# Altium PCB MCU014B_D1.PcbDoc (part 2 of 5) (continued)
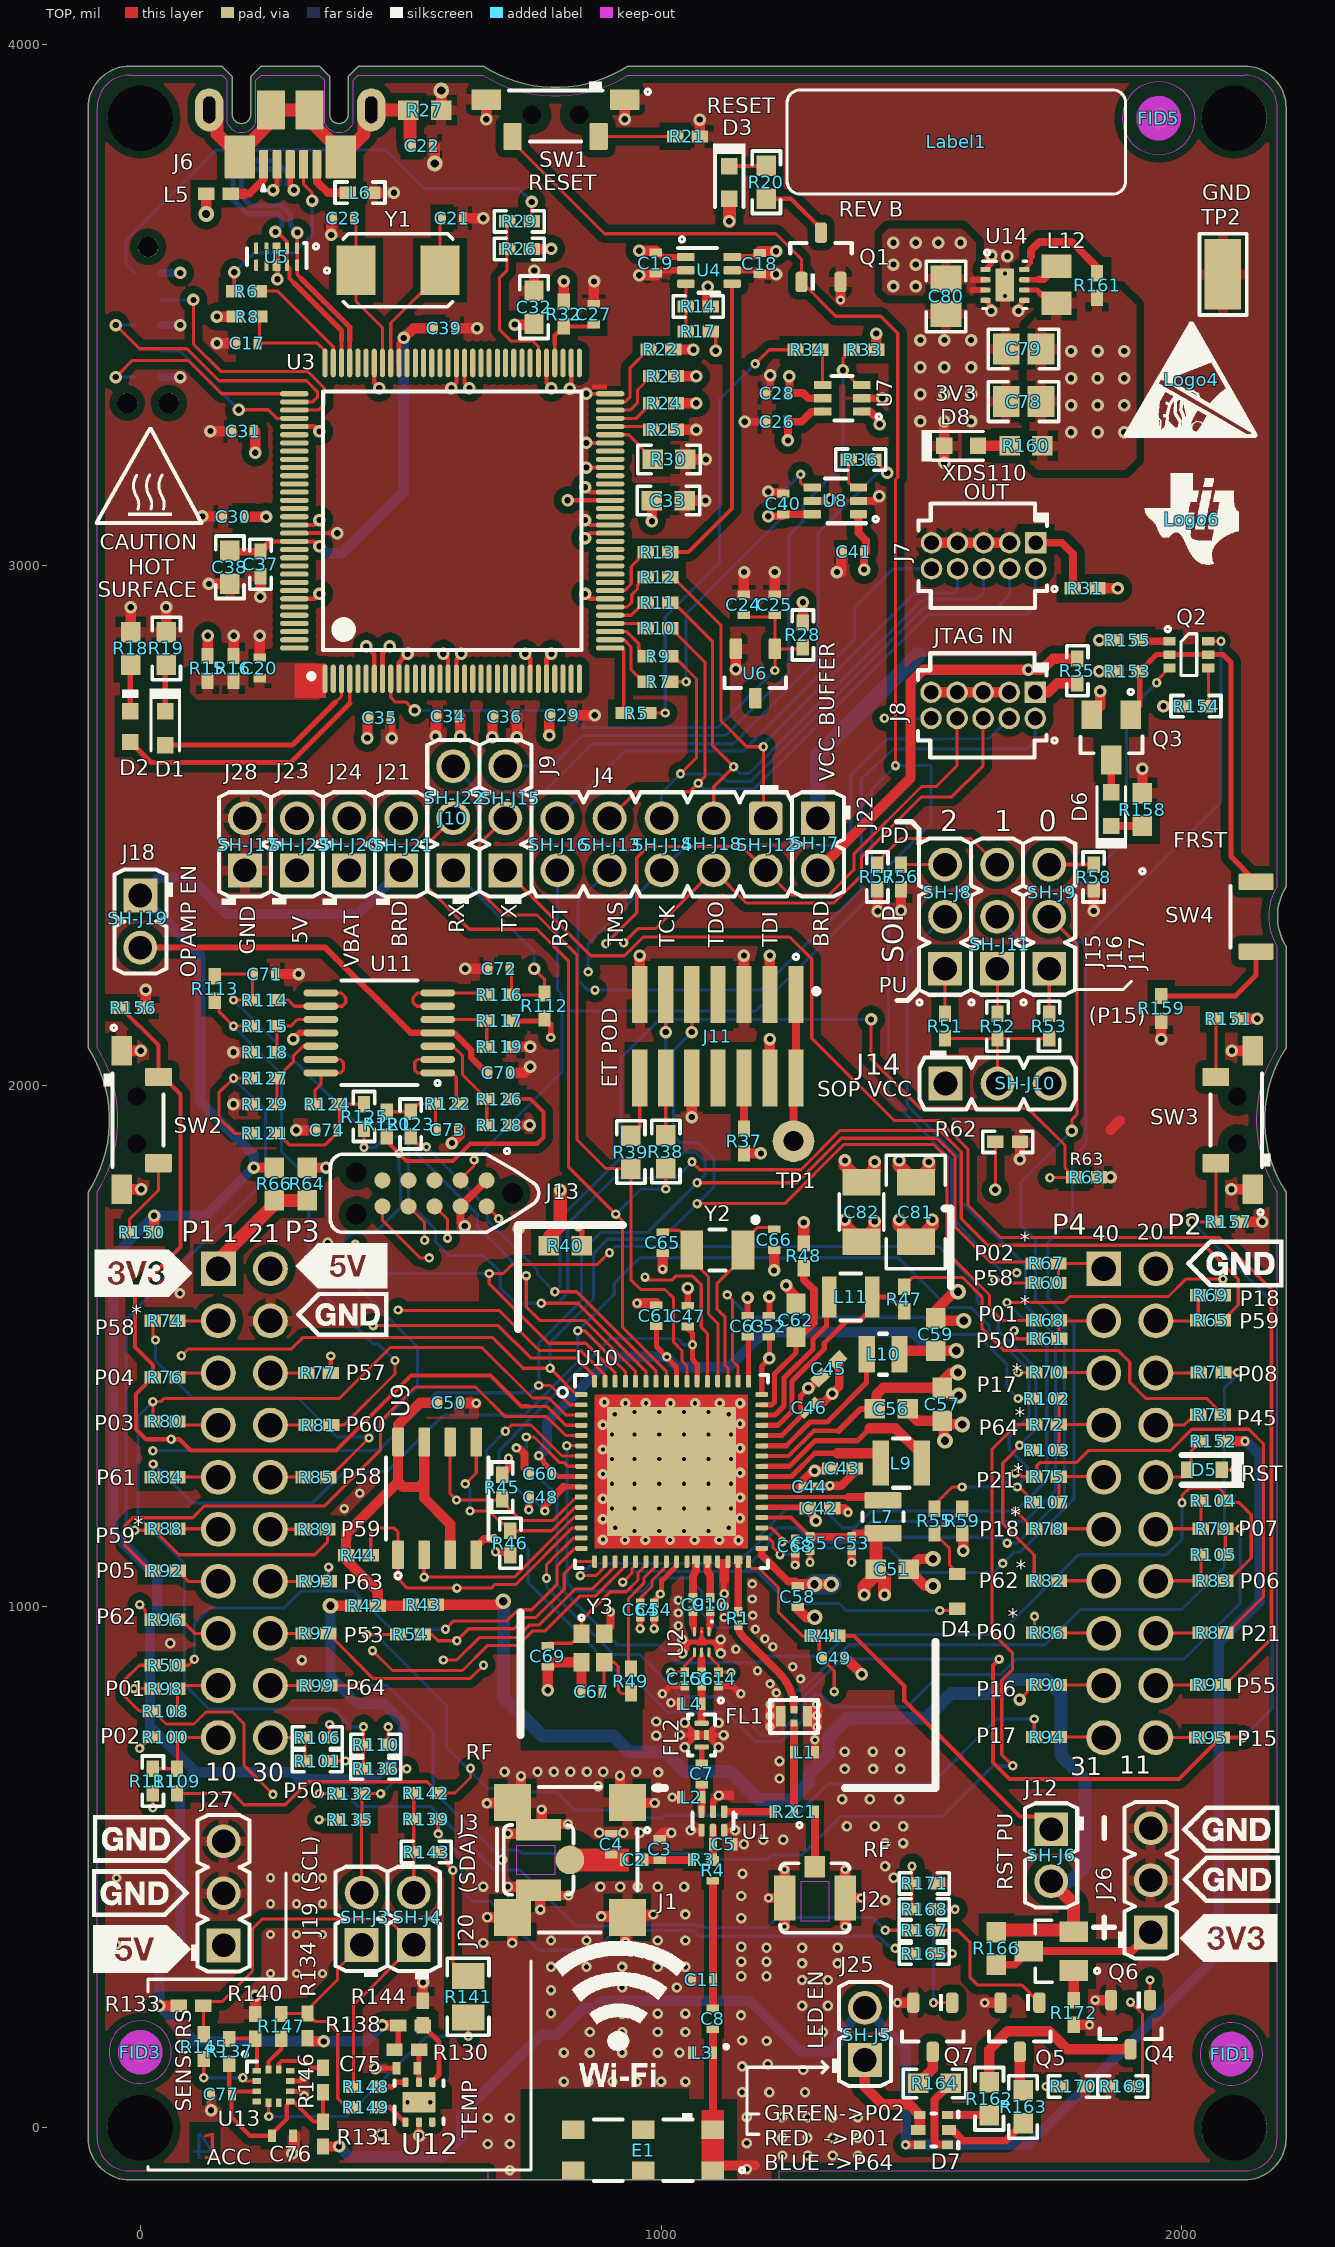
[diagram p0: TOP view]
## Part data (continued)
R27: "RES, 100 k, 5%, 0.1 W, AEC-Q200 Grade 0, 0603", Alternate Manufacturer=YAGEO, Alternate PartNumber=RC0603JR-07100KL, Manufacturer=Vishay-Dale, PartNumber=CRCW0603100KJNEA, Power_W=100mW, Supplier Part Number 1=541-100KGCT-ND, TempCo="200 ppm/C", Tolerance_%=5%, Value2=0.1W, Value_Code=100k, AEC Category=Q200, AEC Grade=0, AEC Qualified=Y, ComponentLink1Description="Datasheet link", ComponentLink1URL=http://www.vishay.com/docs/20035/dcrcwe3.pdf, CompType=Resistor, EIA_Code=E24, MountType=SMT, PackageReference=0603, Res_ohm=100k, RoHS=E, SizeArea_mm2=1.28, SizeX_mm=1.6, SizeY_mm=0.8, SizeZ_mm=1, Supplier 1=Digi-Key, Supplier 2=Newark, Supplier 3=Mouser, Supplier Part Number 2=59M6763, Supplier Part Number 3=71-CRCW0603J-100K-E3, Technology="Thick Film", Value1=5%, ValueDisplayed=100k, VDC_V=75V
R29: "RES, 100, 1%, 0.063 W, AEC-Q200 Grade 0, 0402", Alternate Manufacturer=YAGEO, Alternate PartNumber=RC0402FR-07100RL, Manufacturer=Vishay-Dale, PartNumber=CRCW0402100RFKED, Power_W=63mW, Supplier Part Number 1=541-100LCT-ND, TempCo="100 ppm/C", Tolerance_%=1%, Value2=0.063W, Value_Code=100R, ValueDisplayed=100, AEC Category=Q200, AEC Grade=0, AEC Qualified=Y, ComponentLink1Description="Datasheet link", ComponentLink1URL=http://www.vishay.com/docs/20035/dcrcwe3.pdf, CompType=Resistor, EIA_Code=E96, MountType=SMT, PackageReference=0402, Res_ohm=100, RoHS=E, SizeArea_mm2=0.5, SizeX_mm=1, SizeY_mm=0.5, SizeZ_mm=0.6, Supplier 1=Digi-Key, Supplier 2=Newark, Supplier 3=Mouser, Supplier Part Number 2=52K6609, Supplier Part Number 3=71-CRCW0402-100-E3, Technology="Thick Film", Value1=1%, VDC_V=50V
R30: "RES, 4.87 k, 1%, 0.1 W, AEC-Q200 Grade 0, 0603", Alternate Manufacturer=YAGEO, Alternate PartNumber=RC0603FR-074K87L, Manufacturer=Vishay-Dale, PartNumber=CRCW06034K87FKEA, Power_W=100mW, Supplier Part Number 1=541-4.87KHCT-ND, TempCo="100 ppm/C", Tolerance_%=1%, Value2=0.1W, Value_Code=4k87, ValueDisplayed=4.87k, AEC Category=Q200, AEC Grade=0, AEC Qualified=Y, ComponentLink1Description="Datasheet link", ComponentLink1URL=http://www.vishay.com/docs/20035/dcrcwe3.pdf, CompType=Resistor, EIA_Code=E96, MountType=SMT, PackageReference=0603, Res_ohm=4.87k, RoHS=E, SizeArea_mm2=1.28, SizeX_mm=1.6, SizeY_mm=0.8, SizeZ_mm=1, Supplier 1=Digi-Key, Supplier 2=Newark, Supplier 3=Mouser, Supplier Part Number 2=52K8498, Supplier Part Number 3=71-CRCW0603-4.87K-E3, Technology="Thick Film", Value1=1%, VDC_V=75V
R32: "RES, 51, 5%, 0.063 W, AEC-Q200 Grade 0, 0402", Alternate Manufacturer=YAGEO, Alternate PartNumber=RC0402JR-0751RL, Manufacturer=Vishay-Dale, PartNumber=CRCW040251R0JNED, Power_W=63mW, Supplier Part Number 1=541-51JCT-ND, TempCo="200 ppm/C", Tolerance_%=5%, Value2=0.063W, Value_Code=51R0, ValueDisplayed=51, AEC Category=Q200, AEC Grade=0, AEC Qualified=Y, ComponentLink1Description="Datasheet link", ComponentLink1URL=http://www.vishay.com/docs/20035/dcrcwe3.pdf, CompType=Resistor, EIA_Code=E24, MountType=SMT, PackageReference=0402, Res_ohm=51, RoHS=E, SizeArea_mm2=0.5, SizeX_mm=1, SizeY_mm=0.5, SizeZ_mm=0.6, Supplier 1=Digi-Key, Supplier 2=Newark, Supplier 3=Mouser, Supplier Part Number 2=72M6804, Supplier Part Number 3=71-CRCW0402J-51-E3, Technology="Thick Film", Value1=5%, VDC_V=50V
R38 R39: "RES, 33, 5%, 0.1 W, AEC-Q200 Grade 0, 0603", Alternate Manufacturer=YAGEO, Alternate PartNumber=RC0603JR-0733RL, Manufacturer=Vishay-Dale, PartNumber=CRCW060333R0JNEA, Power_W=100mW, Supplier Part Number 1=541-33GCT-ND, TempCo="200 ppm/C", Tolerance_%=5%, Value2=0.1W, Value_Code=33R0, ValueDisplayed=33, AEC Category=Q200, AEC Grade=0, AEC Qualified=Y, ComponentLink1Description="Datasheet link", ComponentLink1URL=http://www.vishay.com/docs/20035/dcrcwe3.pdf, CompType=Resistor, EIA_Code=E24, MountType=SMT, PackageReference=0603, Res_ohm=33, RoHS=E, SizeArea_mm2=1.28, SizeX_mm=1.6, SizeY_mm=0.8, SizeZ_mm=1, Supplier 1=Digi-Key, Supplier 2=Newark, Supplier 3=Mouser, Supplier Part Number 2=59M6803, Supplier Part Number 3=71-CRCW0603J-33-E3, Technology="Thick Film", Value1=5%, VDC_V=75V
R40 R64 R66 R166: "RES, 0, 5%, 0.1 W, 0603", Alternate Manufacturer=YAGEO, Alternate PartNumber=RC0603FR-070RL, Manufacturer=Panasonic, PartNumber=ERJ-3GEY0R00V, Power_W=100mW, Supplier Part Number 1=P0.0GCT-ND, TempCo="600 ppm/C", Tolerance_%=5%, Value2=0.1W, Value_Code=0000, ValueDisplayed=0, AEC Category=Q200, AEC Qualified=?, ComponentLink1Description="Datasheet link", ComponentLink1URL=http://www.panasonic.com/industrial/components/pdf/AOA0000CE1.pdf, CompType=Resistor, EIA_Code=E24, LatestRevisionDate=2017-03-09, MountType=SMT, PackageReference=0603, Published=2008-06-26, Publisher="Texas Instruments", Res_ohm=0, RoHS=Y, SizeArea_mm2=1.28, SizeX_mm=1.6, SizeY_mm=0.8, SizeZ_mm=1, Supplier 1=Digi-Key, Supplier 2=Mouser, Supplier 3=Farnell, Supplier Part Number 2=667-ERJ-3GEY0R00V, Supplier Part Number 3=2059527, Technology="Thick Film", U/M=EA, Value1=5%, VDC_V=50V
R51: "RES, 270, 5%, 0.063 W, AEC-Q200 Grade 0, 0402", Alternate Manufacturer=YAGEO, Alternate PartNumber=RC0402JR-07270RL, Manufacturer=Vishay-Dale, PartNumber=CRCW0402270RJNED, Power_W=63mW, Supplier Part Number 1=541-270JCT-ND, TempCo="200 ppm/C", Tolerance_%=5%, Value2=0.063W, Value_Code=270R, ValueDisplayed=270, AEC Category=Q200, AEC Grade=0, AEC Qualified=Y, ComponentLink1Description="Datasheet link", ComponentLink1URL=http://www.vishay.com/docs/20035/dcrcwe3.pdf, CompType=Resistor, EIA_Code=E24, MountType=SMT, PackageReference=0402, Res_ohm=270, RoHS=E, SizeArea_mm2=0.5, SizeX_mm=1, SizeY_mm=0.5, SizeZ_mm=0.6, Supplier 1=Digi-Key, Supplier 2=Newark, Supplier 3=Mouser, Supplier Part Number 2=59M6722, Supplier Part Number 3=71-CRCW0402J-270-E3, Technology="Thick Film", Value1=5%, VDC_V=50V
R52 R53 R57 R58: "RES, 69.8 k, 1%, 0.063 W, AEC-Q200 Grade 0, 0402", Alternate Manufacturer=YAGEO, Alternate PartNumber=RC0402FR-0769K8L, Manufacturer=Vishay-Dale, PartNumber=CRCW040269K8FKED, Power_W=63mW, Supplier Part Number 1=541-69.8KLCT-ND, TempCo="100 ppm/C", Tolerance_%=1%, Value2=0.063W, Value_Code=69k8, ValueDisplayed=69.8k, AEC Category=Q200, AEC Grade=0, AEC Qualified=Y, ComponentLink1Description="Datasheet link", ComponentLink1URL=http://www.vishay.com/docs/20035/dcrcwe3.pdf, CompType=Resistor, EIA_Code=E96, MountType=SMT, PackageReference=0402, Res_ohm=69.8k, RoHS=E, SizeArea_mm2=0.5, SizeX_mm=1, SizeY_mm=0.5, SizeZ_mm=0.6, Supplier 1=Digi-Key, Supplier 2=Newark, Supplier 3=Mouser, Supplier Part Number 2=52K7233, Supplier Part Number 3=71-CRCW0402-69.8K-E3, Technology="Thick Film", Value1=1%, VDC_V=50V
R55: "RES, 2.2 k, 5%, 0.063 W, AEC-Q200 Grade 0, 0402", Alternate Manufacturer=YAGEO, Alternate PartNumber=RC0402JR-072K2L, Manufacturer=Vishay-Dale, PartNumber=CRCW04022K20JNED, Power_W=63mW, Supplier Part Number 1=541-2.2KJCT-ND, TempCo="200 ppm/C", Tolerance_%=5%, Value2=0.063W, Value_Code=2k20, ValueDisplayed=2.2k, AEC Category=Q200, AEC Grade=0, AEC Qualified=Y, ComponentLink1Description="Datasheet link", ComponentLink1URL=http://www.vishay.com/docs/20035/dcrcwe3.pdf, CompType=Resistor, EIA_Code=E24, MountType=SMT, PackageReference=0402, Res_ohm=2.2k, RoHS=E, SizeArea_mm2=0.5, SizeX_mm=1, SizeY_mm=0.5, SizeZ_mm=0.6, Supplier 1=Digi-Key, Supplier 2=Newark, Supplier 3=Mouser, Supplier Part Number 2=59M6710, Supplier Part Number 3=71-CRCW0402J-2.2K-E3, Technology="Thick Film", Value1=5%, VDC_V=50V
R114 R116 R122 R124: "RES, 470, 1%, 0.1 W, AEC-Q200 Grade 0, 0402", Alternate Manufacturer=YAGEO, Alternate PartNumber=RC0402FR-07470RL, Manufacturer=Panasonic, PartNumber=ERJ-2RKF4700X, Power_W=100mW, Supplier Part Number 1=P470LCT-ND, TempCo="100 ppm/C", Tolerance_%=1%, Value2=0.1W, Value_Code=470R, ValueDisplayed=470, AEC Category=Q200, AEC Grade=0, AEC Qualified=Y, ComponentLink1Description="Datasheet link", ComponentLink1URL=http://industrial.panasonic.com/lecs/www-data/pdf/AOA0000/AOA0000CE2.pdf, CompType=Resistor, LatestRevisionDate=2017-03-09, MountType=SMT, PackageReference=0402, Published=2008-06-26, Publisher="Texas Instruments", Res_ohm=470, RoHS=Y, SizeArea_mm2=0.5, SizeX_mm=1, SizeY_mm=0.5, SizeZ_mm=0.6, Supplier 1=Digi-Key, Supplier 2=Mouser, Supplier 3=Farnell, Supplier Part Number 2=667-ERJ-2RKF4700X, Supplier Part Number 3=2397145, Technology="Thick Film", U/M=EA, Value1=1%, VDC_V=50V
R115 R117 R126 R127: "RES, 576 k, 1%, 0.063 W, AEC-Q200 Grade 0, 0402", Alternate Manufacturer=YAGEO, Alternate PartNumber=RC0402FR-07576KL, Manufacturer=Vishay-Dale, PartNumber=CRCW0402576KFKED, Power_W=63mW, Supplier Part Number 1=541-576KLCT-ND, TempCo="100 ppm/C", Tolerance_%=1%, Value2=0.063W, Value_Code=576k, AEC Category=Q200, AEC Grade=0, AEC Qualified=Y, ComponentLink1Description="Datasheet link", ComponentLink1URL=http://www.vishay.com/docs/20035/dcrcwe3.pdf, CompType=Resistor, EIA_Code=E96, MountType=SMT, PackageReference=0402, Res_ohm=576k, RoHS=E, SizeArea_mm2=0.5, SizeX_mm=1, SizeY_mm=0.5, SizeZ_mm=0.6, Supplier 1=Digi-Key, Supplier 2=Newark, Supplier 3=Mouser, Supplier Part Number 2=52K7169, Supplier Part Number 3=71-CRCW0402576KFKED, Technology="Thick Film", Value1=1%, ValueDisplayed=576k, VDC_V=50V
R118 R119 R128 R129: "RES, 422 k, 1%, 0.063 W, AEC-Q200 Grade 0, 0402", Alternate Manufacturer=YAGEO, Alternate PartNumber=RC0402FR-07422KL, Manufacturer=Vishay-Dale, PartNumber=CRCW0402422KFKED, Power_W=63mW, Supplier Part Number 1=541-422KLCT-ND, TempCo="100 ppm/C", Tolerance_%=1%, Value2=0.063W, Value_Code=422k, AEC Category=Q200, AEC Grade=0, AEC Qualified=Y, ComponentLink1Description="Datasheet link", ComponentLink1URL=http://www.vishay.com/docs/20035/dcrcwe3.pdf, CompType=Resistor, EIA_Code=E96, MountType=SMT, PackageReference=0402, Res_ohm=422k, RoHS=E, SizeArea_mm2=0.5, SizeX_mm=1, SizeY_mm=0.5, SizeZ_mm=0.6, Supplier 1=Digi-Key, Supplier 2=Newark, Supplier 3=Mouser, Supplier Part Number 2=52K7065, Supplier Part Number 3=71-CRCW0402-422K-E3, Technology="Thick Film", Value1=1%, ValueDisplayed=422k, VDC_V=50V
R133 R134: "RES, 3.3 k, 5%, 0.063 W, AEC-Q200 Grade 0, 0402", Alternate Manufacturer=YAGEO, Alternate PartNumber=RC0402JR-073K3L, Manufacturer=Vishay-Dale, PartNumber=CRCW04023K30JNED, Power_W=63mW, Supplier Part Number 1=541-3.3KJCT-ND, TempCo="200 ppm/C", Tolerance_%=5%, Value2=0.063W, Value_Code=3k30, ValueDisplayed=3.3k, AEC Category=Q200, AEC Grade=0, AEC Qualified=Y, ComponentLink1Description="Datasheet link", ComponentLink1URL=http://www.vishay.com/docs/20035/dcrcwe3.pdf, CompType=Resistor, EIA_Code=E24, MountType=SMT, PackageReference=0402, Res_ohm=3.3k, RoHS=E, SizeArea_mm2=0.5, SizeX_mm=1, SizeY_mm=0.5, SizeZ_mm=0.6, Supplier 1=Digi-Key, Supplier 2=Newark, Supplier 3=Mouser, Supplier Part Number 2=59M6723, Supplier Part Number 3=71-CRCW0402J-3.3K-E3, Technology="Thick Film", Value1=5%, VDC_V=50V
R141: "RES, 0, 5%, 0.125 W, 0805", Alternate Manufacturer=----, Manufacturer=Panasonic, PartNumber=ERJ-6GEY0R00V, Power_W=125mW, Supplier Part Number 1=P0.0ACT-ND, TempCo="600 ppm/C", Tolerance_%=5%, Value2=0.125W, Value_Code=0000, ValueDisplayed=0, AEC Category=Q200, AEC Qualified=?, Alternate PartNumber=----, ComponentLink1Description="Datasheet link", ComponentLink1URL=http://www.panasonic.com/industrial/components/pdf/AOA0000CE1.pdf, CompType=Resistor, EIA_Code=E24, LatestRevisionDate=2017-03-09, MountType=SMT, PackageReference=0805, Published=2008-06-26, Publisher="Texas Instruments", Res_ohm=0, RoHS=Y, SizeArea_mm2=2.5, SizeX_mm=2, SizeY_mm=1.25, SizeZ_mm=1.45, Supplier 1=Digi-Key, Supplier 2=Mouser, Supplier 3=Farnell, Supplier Part Number 2=667-ERJ-6GEY0R00V, Supplier Part Number 3=2057661, Technology="Thick Film", U/M=EA, Value1=5%, VDC_V=150V
R153: "RES, 100 k, 1%, 0.1 W, 0402", Alternate Manufacturer=YAGEO, Alternate PartNumber=RC0402FR-07100KL, Manufacturer=Panasonic, PartNumber=ERJ-2RKF1003X, Power_W=100mW, TempCo="100 ppm/C", Tolerance_%=1%, Value2=0.1W, Value_Code=100k, AEC Category=Q200, AEC Qualified=?, ComponentLink1Description="Datasheet link", ComponentLink1URL=http://industrial.panasonic.com/www-data/pdf/AOA0000/AOA0000CE2.pdf, CompType=Resistor, EIA_Code=E96, LatestRevisionDate=2017-03-09, MountType=SMT, PackageReference=0402, Published=2008-06-26, Publisher="Texas Instruments", Res_ohm=100k, RoHS=Y, SizeArea_mm2=0.5, SizeX_mm=1, SizeY_mm=0.5, SizeZ_mm=0.6, Technology="Thick Film", U/M=EA, Value1=1%, ValueDisplayed=100k, VDC_V=50V
R162 R163 R164: "RES, 750, 5%, 0.1 W, 0603", Alternate Manufacturer=----, Manufacturer="Yageo America", PartNumber=RC0603JR-07750RL, Power_W=100mW, Supplier Part Number 1=311-750GRCT-ND, TempCo="100 ppm/C", Tolerance_%=5%, Value2=0.1W, Value_Code=750R, ValueDisplayed=750, AEC Category=Q200, AEC Qualified=?, Alternate PartNumber=----, ComponentLink1Description="Datasheet link", ComponentLink1URL=http://www.yageo.com/pdf/Pu-RC0603_51_PbFree_L_2.pdf, CompType=Resistor, EIA_Code=E24, LatestRevisionDate=2017-03-09, MountType=SMT, PackageReference=0603, Published=2008-06-26, Publisher="Texas Instruments", Res_ohm=750, RoHS=Y, SizeArea_mm2=1.28, SizeX_mm=1.6, SizeY_mm=0.8, SizeZ_mm=1, Supplier 1=Digi-Key, Supplier 2=Mouser, Supplier 3=Farnell, Supplier Part Number 2=603-RC0603JR-07750RL, Supplier Part Number 3=1799450, Technology="Thick Film", U/M=EA, Value1=5%, VDC_V=50V
SH-J3 SH-J4 SH-J5 SH-J6 SH-J7 SH-J8 SH-J9 SH-J10 SH-J11 SH-J12 SH-J13 SH-J14 SH-J15 SH-J16 SH-J17 SH-J18 SH-J19 SH-J20 SH-J21 SH-J22 SH-J23: "Shunt, 2.54mm, Gold, Black", Alternate Manufacturer=----, Manufacturer="Wurth Elektronik", PartNumber=60900213421, Supplier Part Number 1=732-2678-ND, Alternate PartNumber=----, ComponentLink1Description="Datasheet Link", ComponentLink1URL=http://katalog.we-online.de/em/datasheet/60900213421.pdf, CompType=Shunt, Key=60900213421, LatestRevisionDate=2017-03-09, MountType=N/A, PackageReference="Shunt, 2.54mm, Black", Publisher="Texas Instruments", RoHS=Y, Supplier 1=Digi-Key, Supplier 2=Newark, Supplier 3=Mouser, Supplier Part Number 2=16T0609, Supplier Part Number 3=710-60900213421
SW1 SW2 SW3: "Switch, SPST, 0.05 A, 12 VDC, SMD", Alternate Manufacturer=----, CurrentRating_mA=50A, Manufacturer=Diptronics, PartNumber=1188E-1K2-V-TR, Alternate PartNumber=----, Circuit=SPST, ComponentLink1Description="Datasheet URL", ComponentLink1URL=http://www.dip.com.tw/en/en-product-information/en-switch004/item/download/1976_b080c057386714e3a6604cbe658b9df3, CompType=Switch, LatestRevisionDate=2017-03-09, MountType=SMT, Orientation="Side Actuated", PackageReference=7.8x3.5mm, PositionCount=1, Publisher="Texas Instruments", RoHS=Y, SizeArea_mm2=27.3, SizeAreaWB_mm2=53.9, SizeX_mm=7.8, SizeY_mm=3.5, SizeZ_mm=3.5, VDC_V=12V
SW4: library part CMP-0076764-1, "Switch, SPST-NO, Off-Mom, 0.05 A, 12 VDC, SMT", CurrentRating_mA=50A, Manufacturer="Omron Electronic Components", Supplier Part Number 1=SW1022CT-ND, Circuit=SPST-NO, ComponentLink1Description="Datasheet URL", ComponentLink1URL=http://www.omron.com/ecb/products/pdf/en-b3u.pdf, CompType=Switch, LatestRevisionDate=2017-07-24, MountType=SMT, Orientation="Side Actuated", PackageReference=3x2.5mm, PartNumber=B3U-3000P, PositionCount=1.0, Publisher="Texas Instruments", RoHS=Y, SizeArea_mm2=12.8, SizeAreaWB_mm2=21.0, SizeX_mm=3.2, SizeY_mm=4.0, SizeZ_mm=1.35, Supplier 1=Digi-Key, Supplier 2=Newark, Supplier 3=Mouser, Supplier Part Number 2=34M5297, Supplier Part Number 3=653-B3U-3000P, SwitchFunction=Off-Mom, VDC_V=12V
TP1: "TEST POINT.  No entry in BOM.", Manufacturer=N/A, CompType=Testpoint, PackageReference=N/A, PartNumber=N/A
TP2: library part CMP-0055152-1, "Test Point, Miniature, SMT", Alternate Manufacturer=----, Manufacturer=Keystone, Supplier Part Number 1=36-5015TR-ND, Alternate PartNumber=----, CNHeader=FALSE, ComponentLink1Description="Datasheet URL", ComponentLink1URL=http://www.keyelco.com/userAssets/store/files/5015.PDF, CompType="Test Point", CT=TRUE, Green_EU RoHS=Passed, Green_EU RoHS-2=Incomplete, Green_Lifecycle=Active, Green_REACh=Passed, LatestRevisionDate=26/05/2017, MountType=SMT, PackageReference=Testpoint_Keystone_Miniature, PartNumber=5015, Publisher="Texas Instruments", RoHS=Y, Supplier 1=Digi-Key, Supplier 2=Mouser, Supplier Part Number 2=534-5015
U1: "Multilayer Diplexer for 2.4GHz W-LAN & Bluetooth / 5GHz W-LAN", Alternate Manufacturer=----, Manufacturer=TDK, PartNumber=DPX165950DT-8148A1, Supplier Part Number 1=445-174759-1-ND, Alternate PartNumber=----, ComponentLink1Description="Datasheet URL", ComponentLink1URL=https://sps06.itg.ti.com/sites/KMS/crossdivteams/altium/docs/ComponentDatasheets/DPX165950DT-8148A1.pdf, CompType=Diplexer, LatestRevisionDate=09/03/2017, MountType=SMT, PackageReference=1.6x0.8mm, Publisher="Texas Instruments", RoHS=Y, SizeArea_mm2=1.28, SizeAreaWB_mm2=4.68, SizeX_mm=0.8, SizeY_mm=1.6, SizeZ_mm=0.7, Supplier 1=Digi-Key, Supplier 2=Mouser, Supplier Part Number 2=810-DPX16595DT8148A1
U2: library part CMP-0065464-1, "0.03 GHz-6 GHz SPDT Switch", Alternate Manufacturer=----, Alternate PartNumber="Order Directly from Richwave", Manufacturer=Richwave, ComponentLink1Description="Datasheet URL", ComponentLink1URL="https://sps06.itg.ti.com/sites/KMS/crossdivteams/altium/docs/ComponentDatasheets/T-ST-6608OSP-DST-001 R1.5 RTC6608OSP datasheet (2).pdf", LatestRevisionDate=2017-06-05, MountType=SMT, PackageReference=1x1mm, PartNumber=RTC6608OSP, Publisher="Texas Instruments", RoHS=Y, SizeArea_mm2=1.0, SizeAreaWB_mm2=4.0, SizeX_mm=1.0, SizeY_mm=1.0, SizeZ_mm=0.4
U3: "Tiva C Series Microcontroller, 1024 KB Flash, 256 KB SRAM, 12 Bit, 20 Channels, -40 to 85 degC, 128-Pin TQFP (PDT), Green (RoHS & no Sb/Br), Tape and Reel", Alternate Manufacturer=----, Manufacturer="Texas Instruments", PartNumber=TM4C1294NCPDTI3R, Temperature Range="-40 to 85 degC", ADC Channels=20, ADC Resolution="12 Bits", Alternate PartNumber=----, ComponentLink1Description="Manufacturer URL", ComponentLink1URL=http://www.ti.com/, ComponentLink2Description=Datasheet, ComponentLink2URL=http://www.ti.com/lit/ds/symlink/tm4c1294ncpdt.pdf, ComponentLink3Description="Package Specification", ComponentLink3URL=http://www.ti.com/lit/ml/mpqf013/mpqf013.pdf, CompType=IC, CPU="ARM Cortex-M4", DatasheetVersion=15863.2743, Eco-Plan="Green (RoHS & no Sb/Br)", Flash="1024 KB", Max Speed="120 MHz", Mounting Technology="Surface Mount", MountType=SMT, PackageDescription="128-Pin Thin Quad Flat Package, Body 14 x 14 mm, Pitch 0.4 mm", PackageReference=PDT0128A, PackageVersion=4087726/A, Packing="Tape and Reel", SizeArea_mm2=256.0, SizeAreaWB_mm2=324.0, SizeX_mm=16.0, SizeY_mm=16.0, SizeZ_mm=1.2, SRAM="256 KB"
U4 U7 U8: "Single-Bit Dual-Supply Bus Transceiver with Configurable Voltage Translation and 3-State Outputs, DCK0006A, LARGE T&R", Alternate Manufacturer="Texas Instruments", Alternate PartNumber=SN74LVC1T45DCKT, F @ Nom Voltage(Max)(Mhz)=150, Generic Part Number=SN74LVC1T45, ICC @ Nom Voltage(Max)(mA)=0.004, Operating Temperature Range(C)="-40 to 85", PartNumber=SN74LVC1T45DCKR, Rating=Catalog, tpd @ Nom Voltage(Max)(ns)=15.5,8,5.8,4.4, Voltage(Nom)(V)=1.8,2.5,3.3,5, 3-State Output=Yes, AEC Category=Q200, AEC Qualified=N, Bits(#)=1, ComponentLink1Description="Datasheet Link", ComponentLink1URL=http://www.ti.com/lit/ds/symlink/sn74lvc1t45.pdf, ComponentLink2Description="Product Folder", ComponentLink2URL=http://www.ti.com/product/sn74lvc1t45, ComponentLink3Description="Online Datasheet", ComponentLink3URL=http://www.ti.com/product/sn74lvc1t45/datasheet, CompType=IC, DatasheetVersion=SCES515K, Input Type=CMOS/TTL, Logic=True, Manufacturer="Texas Instruments", MountType=SMT, Output Drive (IOL/IOH)(Max)(mA)=32/-32, Output Type=CMOS, PackageDescription=SOT-SC70-6, PackageReference=DCK0006A, RoHS=Y, Schmitt Trigger=No, SizeArea_mm2=4.2, SizeAreaWB_mm2=9.3, SizeX_mm=2.1, SizeY_mm=2, SizeZ_mm=1.1, Sub-Family="Dual Supply Translator", Technology Family=LVC, VCC(Max)(V)=5.5, VCC(Min)(V)=1.65
U5: "ESD Solution for High-Speed Differential Interface, 4 Channels, -40 to +85 degC,10-pin SON (DQA), Green (RoHS & no Sb/Br)", Alternate Manufacturer=----, Breakdown Voltage(Min)(V)=9, Differential Capacitance(pF)=0.05, IO Capacitance(Typ)(pF)=0.8, IO Leakage Current(nA)=10, Manufacturer="Texas Instruments", PartNumber=TPD4S010DQAR, 1394 / Firewire=TRUE, Alternate PartNumber=----, ComponentLink1Description="Manufacturer URL", ComponentLink1URL=http://www.ti.com/, ComponentLink2Description=Datasheet, ComponentLink2URL=http://www.ti.com/general/docs/lit/getliterature.tsp?genericPartNumber=TPD4S010&fileType=pdf, ComponentLink3Description="URL Link1", ComponentLink3URL=SamplesURL:http://www.ti.com/product/tpd4s010#samples, DatasheetVersion=SLVS817E, Eco-Plan="Green (RoHS & no Sb/Br)", IEC 61000-4-2 Air-Gap(+/- kV)=9, IEC 61000-4-2 Contact(+/- kV)=8, Mounting Technology="Surface Mount", PackageDescription="10-Pin Plastic Small Outline No-Lead, 1 x 2.5 x 0.55 mm Body, 0.5 mm Pitch", PackageReference=DQA0010A, PackageVersion="revB, Sep-2009", Serial ATA / eSATA=TRUE, SubFamily="ESD Solution"
U6: "Precision Micropower Shunt Voltage Reference, 0.2% accuracy, 2.5 V, 15 ppm / degC, 15 mA, -40 to 85 degC, 3-pin SOT-23 (DBZ), Green (RoHS & no Sb/Br)", Alternate Manufacturer=----, Manufacturer="Texas Instruments", PartNumber=LM4040B25IDBZR, Rating=Catalog, Temp Coeff(Max)(ppm/ degree C)=100, Temp Coeff(Typ)(ppm/ degree C)=15, Alternate PartNumber=----, Code_JEDEC=TO-236, ComponentLink1Description="Manufacturer URL", ComponentLink1URL=http://www.ti.com/, ComponentLink2Description=Datasheet, ComponentLink2URL=http://www.ti.com/general/docs/lit/getliterature.tsp?genericPartNumber=LM4040B25&fileType=pdf, ComponentLink3Description="Package Specification", ComponentLink3URL=http://www.ti.com/litv/pdf/mpds108a, DatasheetVersion=SLOS456K, Eco-Plan="Green (RoHS & no Sb/Br)", Initial Accuracy @ 25/deg C(%)=0.2, Iout/Iz(Max)(mA)=15, Min Iz for Regulation(uA)=75, Mounting Technology="Surface Mount", PackageDescription="3-Pin Plastic Small Outline, Body 2.92 x 1.3 mm, Pitch 0.95 mm", PackageReference=DBZ0003A, PackageVersion=4203227/B, SubFamily="Shunt Voltage Reference", VO(V)=2.5
U9: "ULTRA LOW POWER, 32M-BIT [x 1/x 2/x 4] CMOS MXSMIO(SERIAL MULTI I/O) FLASH MEMORY, SOP-8", Alternate Manufacturer=----, Manufacturer="Macronix International Co., LTD", PartNumber=MX25R3235FM1IL0, Alternate PartNumber=----, ComponentLink1Description="Datasheet URL", ComponentLink1URL=http://www.macronix.com/Lists/Datasheet/Attachments/3262/MX25R3235F,%20Wide%20Range,%2032Mb,%20v1.2.pdf, LatestRevisionDate=09/03/2017, MountType=SMT, PackageReference=8-SOP, Publisher="Texas Instruments", RoHS=Y
U10: library part CMP-0065220-6, "SimpleLink Wi-Fi and Internet-of-Things Solution, a Single-Chip Wireless MCU, RGK0064B (VQFN-64)", Alternate Manufacturer="Texas Instruments", AEC Category=Q200, AEC Qualified=N, ComponentLink1Description="Datasheet Link", ComponentLink1URL=http://www.ti.com/lit/ds/symlink/cc3235sf.pdf, ComponentLink2Description="Product Folder", ComponentLink2URL=http://www.ti.com/product/cc3235sf, ComponentLink3Description="Online Datasheet", ComponentLink3URL=http://www.ti.com/product/cc3235sf/datasheet, CompType=IC, Manufacturer="Texas Instruments", MountType=SMT, PackageDescription=VQFN-64, PackageReference=RGK0064B, PartNumber=CC3235SF12RGKR, SizeArea_mm2=81.0, SizeAreaWB_mm2=121.0, SizeX_mm=9.0, SizeY_mm=9.0, SizeZ_mm=1.0
U11: "Low Cost, Low Power, Rail-to-Rail Operational Amplifier MicroAmplifier(TM) Series, 2.7 to 5.5 V, -55 to 125 degC, 14-pin SOP (PW14), Green (RoHS & no Sb/Br)", Alternate Manufacturer=----, Manufacturer="Texas Instruments", PartNumber=OPA4342EA/250, Rating=Catalog, Total Supply Voltage(Max)(+5V is 5, +/-5V is 10)=5.5, Total Supply Voltage(Min)(+5V is 5, +/-5V is 10)=2.7, Alternate PartNumber=----, CMRR(Min)(dB)=76, Code_JEDEC=MO-153, ComponentLink1Description="Manufacturer URL", ComponentLink1URL=http://www.ti.com/, ComponentLink2Description=Datasheet, ComponentLink2URL=http://www.ti.com/lit/ds/symlink/opa4342.pdf, ComponentLink3Description="Package Specification", ComponentLink3URL=http://www.ti.com/litv/pdf/mpds360, DatasheetVersion=SBOS106A, Eco-Plan="Green (RoHS & no Sb/Br)", GBW(Typ)(MHz)=1, IIB(Max)(pA)=10, Iq per channel(Max)(mA)=0.25, Mounting Technology="Surface Mount", Number of Channels=4, Offset Drift(Typ)(uV/C)=3, PackageDescription="14-Pin Plastic Small Outline, Body 5 x 4.4 mm, Pitch 0.65 mm", PackageReference=PW0014A, PackageVersion="4040064-3/G, 02/2011", Packing="SMALL T&R", Slew Rate(Typ)(V/us)=1, Sub Family="Low Input Bias Current Amp (<=10pA), Low Power Amp (<=500uA), Low Supply Voltage Amplifier (<=2.7V), Precision Amplifier", Vio (25C)(Max)(mV)=6
U12: library part CMP-0013432-6, "High-Accuracy, Low-Power, Digital Temperature Sensor with SMBus and Two-Wire Serial Interface, DRV0006A (WSON-6)", Alternate Manufacturer="Texas Instruments", Alternate PartNumber=TMP116AIDRVT, ComponentLink1Description="Datasheet Link", ComponentLink1URL=https://sps06.itg.ti.com/sites/KMS/crossdivteams/altium/docs/ComponentDatasheets/TMP116_PrelimDatasheet.pdf, CompType=IC, LatestRevisionDate=2017-03-09, Manufacturer="Texas Instruments", MountType=SMT, PackageDescription=WSON-6, PackageReference=DRV0006A, PartNumber=TMP116AIDRVR, Publisher="Texas Instruments", SizeArea_mm2=4, SizeAreaWB_mm2=9, SizeX_mm=2, SizeY_mm=2, SizeZ_mm=0.8, U/M=EA
U13: library part CMP-0004812-1, "14 Bit, Digital, Triaxial Acceleration Sensor with Intelligent On-Chip Motion-Triggered Interrupt Controller, 12LGA", Manufacturer="Bosch Solar Energy", Supplier Part Number 1=828-1033-1-ND, ComponentLink1Description="Datasheet URL", ComponentLink1URL=https://ae-bst.resource.bosch.com/media/products/dokumente/bma280/BST-BMA280-DS000-11_published.pdf, LatestRevisionDate=09/03/2017, MountType=SMT, PackageReference="LGA, 12-Leads, Body 2x2mm, Pitch 0.5mm", PartNumber=BMA280, Publisher="Texas Instruments", RoHS=Y, Supplier 1=Digi-Key, Supplier 2=Mouser, Supplier Part Number 2=262-BMA280
U14: "Buck Step Down Regulator with 3 to 17 V Input and 3.3 V Output, -40 to 85 degC, 8-Pin WSON (DSG), Green (RoHS & no Sb/Br)", Alternate Manufacturer=----, Manufacturer="Texas Instruments", PartNumber=TPS62162DSGR, Rating=Catalog, Switch Current Limit(Typ)(A)=1.8, Alternate PartNumber=----, Code_JEDEC=MO-229, ComponentLink1Description=Datasheet, ComponentLink1URL=http://www.ti.com/general/docs/lit/getliterature.tsp?genericPartNumber=TPS62162&fileType=pdf, ComponentLink2Description="Package Specification", ComponentLink2URL=http://www.ti.com/litv/pdf/mpds308a, ComponentLink3Description="URL Link1", ComponentLink3URL="Samples URL:http://www.ti.com/product/tps62162#samples", DatasheetVersion=SLVSAM2A, Duty Cycle(Max)(%)=100, Eco-Plan="Green (RoHS & no Sb/Br)", Iout(Max)(A)=1, Iq(Typ)(mA)=0.017, Mounting Technology="Surface Mount", PackageDescription="8-Pin Plastic Small Outline No-Lead, 2 x 2 x 0.8 mm Body, 0.5 mm Pitch, Exposed Pad", PackageReference=DSG0008A, PackageVersion="revB, Oct-2010", Preset Vout(V)=3.3, Regulated Outputs(#)=1, SubFamily="Step-Down Regulator", Synchronous Rectification=TRUE, Topology=Buck, Vin(Max)(V)=17, Vin(Min)(V)=3, Vout(Max)(V)=3.3, Vout(Min)(V)=3.3
Y1: "Crystal, 16 MHz, 18 pF, SMD", Alternate Manufacturer=----, Frequency_Fixed=16MHz, Frequency Stability=+/-30ppm, Manufacturer="Abracon Corporation", PartNumber=ABM3-16.000MHZ-D2Y-T, Supplier Part Number 1=535-10638-1-ND, Alternate PartNumber=----, ComponentLink1Description="Datasheet Link", ComponentLink1URL=http://www.abracon.com/Resonators/abm3.pdf, CompType=Crystal, MountType=SMT, PackageReference=ABM3, REACh=Y, RoHS=E, Supplier 1=Digi-Key, Supplier 2=Newark, Supplier 3=Mouser, Supplier Part Number 2=77R1470, Supplier Part Number 3=815-ABM3-16-D2Y-T, TaMax_C=85°C, TaMin_C=-40°C
Y2: "CRYSTAL, 32.768KHz, 9PF, SMD", Alternate Manufacturer=----, Frequency_Fixed=32.768kHz, Frequency Stability=+/-20ppm, Manufacturer="Abracon Corporation", PartNumber=ABS07-32.768KHZ-9-T, Supplier Part Number 1=535-9544-1-ND, Alternate PartNumber=----, ComponentLink1Description="Datasheet Link", ComponentLink1URL=http://www.abracon.com/Resonators/ABS07.pdf, CompType=Crystal, MountType=SMT, PackageReference=3.2x0.9x1.5mm, REACh=Y, RoHS=Y, Supplier 1=Digi-Key, Supplier 2=Newark, Supplier 3=Mouser, Supplier Part Number 2=14N8751, Supplier Part Number 3=815-ABS07-32.768K9T, TaMax_C=85°C, TaMin_C=-40°C
Y3: library part CMP-0077111-2, "Crystal, 40 MHz, 8 pF, SMD", Alternate Manufacturer=----, Alternate PartNumber="Order Directly from TXC", Frequency_Fixed=40MHz, Frequency Stability=±15ppm, Manufacturer="TXC Corporation", ComponentLink1Description="Datasheet Link", ComponentLink1URL="https://sps16.itg.ti.com/sites/KMS/crossdivteams/altium/docs/ComponentDatasheets/8Y40072002 TI.pdf", CompType=Crystal, LatestRevisionDate=2017-07-31, MountType=SMT, PackageReference=2x1.6mm, PartNumber=8Y40072002, Publisher="Texas Instruments", RoHS=Y, TaMax_C=95°C, TaMin_C=-40°C, U/M=EA
ZZ1: library part CMP-0003616-3, ClassName=AssemblyNote, CompType=AssemblyNote, Key=AssemblyNoteLabel, LatestRevisionDate=2017-03-09, Publisher="Texas Instruments"
ZZ2: library part CMP-0077236-1, ClassName=AssemblyNote, CompType=AssemblyNote, Key=AssemblyNote, LatestRevisionDate=2017-08-10, Publisher="Texas Instruments"
ZZ3: library part CMP-0077237-1, ClassName=AssemblyNote, CompType=AssemblyNote, Key=AssemblyNote, LatestRevisionDate=2017-08-10, Publisher="Texas Instruments"
ZZ4: library part CMP-0077238-1, ClassName=AssemblyNote, CompType=AssemblyNote, Key=AssemblyNote, LatestRevisionDate=2017-08-10, Publisher="Texas Instruments"

## Free pads (board coordinates)
  round 125 hole 125 unplated mask+5: 1(0,0) 1(0,3858) 1(2100,0) 1(2100,3858)
  rrect0% 15x16.73 smd paste-100 mask-100: 2(1066.71,1090.22) 2(1088.9,1090.22)
  rrect0% 16.73x16.73 smd paste-100 mask-100: 2(1148.06,1090.22)

## Via types
v1: diameter 24, hole 12, TOP to BOTTOM, tented both sides, 230 vias
v2: diameter 18, hole 8, TOP to BOTTOM, tented both sides, 218 vias
v3: diameter 20, hole 10, TOP to BOTTOM, tented both sides, 159 vias
v4: diameter 19.68, hole 7.87, TOP to BOTTOM, 32 vias
v5: diameter 20, hole 8, TOP to BOTTOM, tented both sides, 24 vias
v6: diameter 30, hole 16, TOP to BOTTOM, tented both sides, 17 vias
v7: diameter 20, hole 8, TOP to BOTTOM, tented bottom, 4 vias
v8: diameter 19.68, hole 7.87, TOP to BOTTOM, tented bottom, 4 vias

## Nets (pads, with @x,y where several pads share a name; then routed paths per layer and width w, separated by ;. In a path a pad name is that pad's centre, name@x,y a point inside that pad or via, vN(x,y) a via of type N, cw(c..) or ccw(c..) an arc to the next point about the centre after c; other vN are vias at no path point)
A_RX: C9.2 pad.2@1066.71,1090.22 U10.27 | length 74.5
  TOP w15: C9.2@1061.3,1017.2 1061.3,1056.56 cw(c1074.62,1056.56) 1065.2,1065.98 ccw(c1061.54,1069.64) 1066.71,1069.64 pad.2@1066.71,1090.22
A_TX: C10.2 pad.2@1088.9,1090.22 U10.28 | length 74.5
  TOP w15: pad.2@1088.9,1090.22 U10.28@1088.9,1086.77 1088.9,1069.64 ccw(c1094.07,1069.64) 1090.41,1065.98 cw(c1080.99,1056.56) 1094.31,1056.56 1094.31,1044.53 C10.2@1094.31,1017.2
ANA_IN1: R77.2 R112.2 R117.1 | length 982.7
  TOP w8: R77.2@365.62,1449 v2(365.62,1481.62)
  TOP w10: R117.1@712.62,2125 770.62,2125 R112.2@776,2130.38 788,2118.38 v2(788,2093)
  PWR w6: v2(365.62,1481.62) 365.62,1606.62 458,1699 458,1757.82 573.54,1873.36 573.54,1900.83 646.71,1974 742,1974 788,2020 v2(788,2093)
ANA_IN2: R74.1 R85.2 R120.2 R126.1 | length 1843.4
  TOP w6: R74.1@24.38,1549 24.38,1517.38 v2(29.38,1512.38) ; R85.2@360.73,1249.01 364.01,1249.01 v2(439.21,1324.21)
  TOP w8: R120.2@473,1903.38 473,1894.21 v2(496.75,1870.46) 511.21,1856 600.76,1856 633.97,1889.21 762.21,1889.21 774,1901 774,1950 749,1975 R126.1@712.62,1975
  BOTTOM w6: v2(29.38,1512.38) 29.38,1472.62 101,1401 303,1401 378,1326 437,1326 532.21,1421.21 532.21,1499.21 382.21,1649.21 382.21,1693.5 404.93,1716.21 449.21,1716.21 499.38,1766.38 499.38,1831.23 496.75,1833.85 v2(496.75,1870.46)
ANA_IN3: R88.1 R89.2 R121.2 R127.1 | length 1638.7
  TOP w6: v2(-10.61,1147.12) 21.5,1147.12 R88.1@24.38,1150 74.38,1100 335.38,1100 359.33,1123.96 R89.2@359.33,1149.11 ; R121.2@215.38,1909 181.21,1909 151,1939.21 151,1987 v2(179,2015) R127.1@215.38,2015
  BOTTOM w6: v2(-10.61,1147.12) -26.87,1163.37 -26.87,1551.93 240.8,1819.59 240.8,1953.2 v2(179,2015)
ANA_IN4: R81.2 R113.2 R115.1 | length 1065
  TOP w6: R113.2@143,2163.38 143,2160.43 151.55,2151.88 151.55,2142.45 v2(179,2115) R115.1@215.38,2115 ; R81.2@366.62,1349 391,1349 489,1447 v2(489,1473)
  BOTTOM w6: v2(179,2115) 271.07,2022.93 271.07,1874.04 323.56,1821.55 323.56,1628.26 446.93,1504.89 457.11,1504.89 v2(489,1473)
CC_COEX_BLE: R61.1 R62.1 R101.2 R102.1 U10.50 | length 3516.4
  TOP w6: R101.2@363.62,704 v2(394.21,704) ; v2(1127,1599) 1137,1589 1137,1472 1147.95,1461.05 U10.50@1147.95,1433.23 ; v1@1641.79,1798.41 R62.1@1641.79,1892.69 ; v2(1677.69,1530.28) 1677.69,1519.37 1682.42,1514.63 R61.1@1717,1514.63 ; v2(1685.45,1400) R102.1@1716.38,1400
  PWR w6: v2(394.21,704) 421.74,731.53 544.53,731.53 623.82,810.82 999.89,810.82 1011.68,799.03 1026.37,799.03 1045.38,818.04 1113.37,818.04 1180.33,751.08 1216.04,751.08 1238.7,773.75 1238.7,808.46 1306.86,876.61 1348.52,876.61 1381.48,843.66 1550.15,843.66 1688.4,981.9 1688.4,1030.22 1717.94,1059.76 1717.94,1367.51 v2(1685.45,1400) 1614.6,1470.85 1614.6,1662.2 1641.79,1689.4 v1@1641.79,1798.41 ; 1615.35,1530.28 v2(1677.69,1530.28)
  BOTTOM w6: v2(1127,1599) 1170,1556 1504,1556 1537.21,1522.79 1606.63,1522.79 1664.44,1464.98 1664.44,1421.01 v2(1685.45,1400)
  other v1: 1641.72,1800.96
CC_COEX_SW_OUT: R60.1 R63.1 R123.2 U10.58 | length 2657.7
  TOP w6: R123.2@519.21,1903.38 539.59,1883 v2(549.37,1883) ; v2(796,1605) 837.92,1605 990.47,1452.45 U10.58@990.47,1433.23 ; v1(1403.2,2127.89) 1403.2,2051.38 1497.25,1957.33 1704.14,1957.33 1775.36,1886.1 1775.36,1842.76 R63.1@1793.53,1824.58 v2@1747.09,1824.58 ; v2(1640.47,1627.72) 1652.27,1627.72 1658.05,1621.94 R60.1@1715.23,1621.94
  PWR w6: v2(1640.47,1627.72) 1640.47,1669.69 1654.79,1684.01 1654.79,1732.28 v2(1746.37,1823.86)
  BOTTOM w6: v2(549.37,1883) 666.41,1765.96 666.41,1742.55 762.63,1646.33 762.63,1638.37 v2(796,1605) 805.65,1614.65 805.65,1745.58 923.23,1863.16 923.23,2054.02 997.09,2127.89 v1(1403.2,2127.89)
CC_COEX_WAKEUP: R69.2 R78.1 U10.18 | length 1957.2
  TOP w6: v2(845,1060) 874.91,1060 892.05,1077.14 U10.18@892.05,1086.77 ; v2(1664.21,1584.21) 1773.12,1584.21 1784.85,1595.94 1974.03,1595.94 2007.3,1629.21 v2(2078.62,1629.21) R69.2@2078.62,1598 ; v2(1681,1184) 1715,1150 R78.1@1716.38,1150
  BOTTOM w6: v2(845,1060) 868.47,1083.46 1147.47,1083.46 1189.85,1125.85 1189.85,1137.27 1239.82,1187.23 1312.96,1187.23 1348.36,1151.83 1371.11,1151.83 1403.28,1184 v2(1681,1184) 1740.31,1243.3 1740.31,1508.12 v2(1664.21,1584.21)
CC_NRESET: C49.1 D5.1 J4.10 J8.10 J13.2 Q1.1 R41.2 SW1.4 U10.32 | length 7026
  TOP w6: J13.2@615,1819 614,1820 640.92,1846.92 v2(640.92,1857.82) ; SW1.4@714.7,3823.02 714.7,3812.92 891.28,3636.33 1220.61,3636.33 1269.6,3587.35 Q1.1@1269.6,3543.76 1335.45,3477.91 1421.78,3477.91 1454.3,3445.39 1454.3,3168.84 1450.14,3164.68 v2(1450.14,2615) ; U10.32@1167.64,1086.77 1167.64,1080 1173.95,1073.68 1188.26,1073.68 1225.38,1036.56 1225.38,989.64 1270.77,944.25 R41.2@1290.77,944.25 1292.73,944.25 1303.7,933.28 1303.7,905.39 1307.44,901.65 1332.32,876.77 v2(1332.32,837.21) ; v2(1428.66,2705.92) 1449.08,2705.92 ; D5.1@2068.59,1263 v2(2101.69,1263)
  PWR w6: v2(1332.32,837.21) 1351.68,817.85 1653.25,817.85 1678.1,842.7 1697.49,842.7 1708.38,831.81 1708.38,809.31 1689.19,790.12 1689.19,777.8 1705.51,761.48 1731.17,761.48 1784.66,814.97 1784.66,1057 1830.58,1102.92 1987.3,1102.92 2101.69,1217.31 v2(2101.69,1263) 2068.38,1296.32 1832.9,1296.32 1796.74,1332.48 1796.74,1398.5 1705.06,1490.18 1705.06,1618.36 v2@1682.26,1641.16 ; v2@1679.8,1643.62 v2@1682.26,1641.16 ; v2(1682.84,1641.16) v2@1682.26,1641.16
  BOTTOM w6: v2(640.92,1857.82) 809.84,2026.74 809.84,2138.11 ; J4.10@801,2414 801,2184.07 809.84,2175.23 809.84,2149.89 ; v2(1428.66,2705.92) J8.10@1517.36,2704.86 ; v2(1682.84,1641.16) 1656.78,1641.16 1627.72,1670.22 1581.21,1723.42 1557.96,1750.02 1557.96,1857.85 1436.91,1978.9 1436.91,2422.16 1518.24,2503.48 1518.24,2615 v2(1450.14,2615) 1450.14,2614.41 1404.21,2568.48 1404.21,2366.77 1181.44,2144 815.73,2144 ; 809.84,2138.11 815.73,2144 ; 809.84,2138.11 809.84,2149.89 ; 809.84,2149.89 815.73,2144